# Altium PCB Lancelot.PcbDoc (part 1 of 14) (continued)
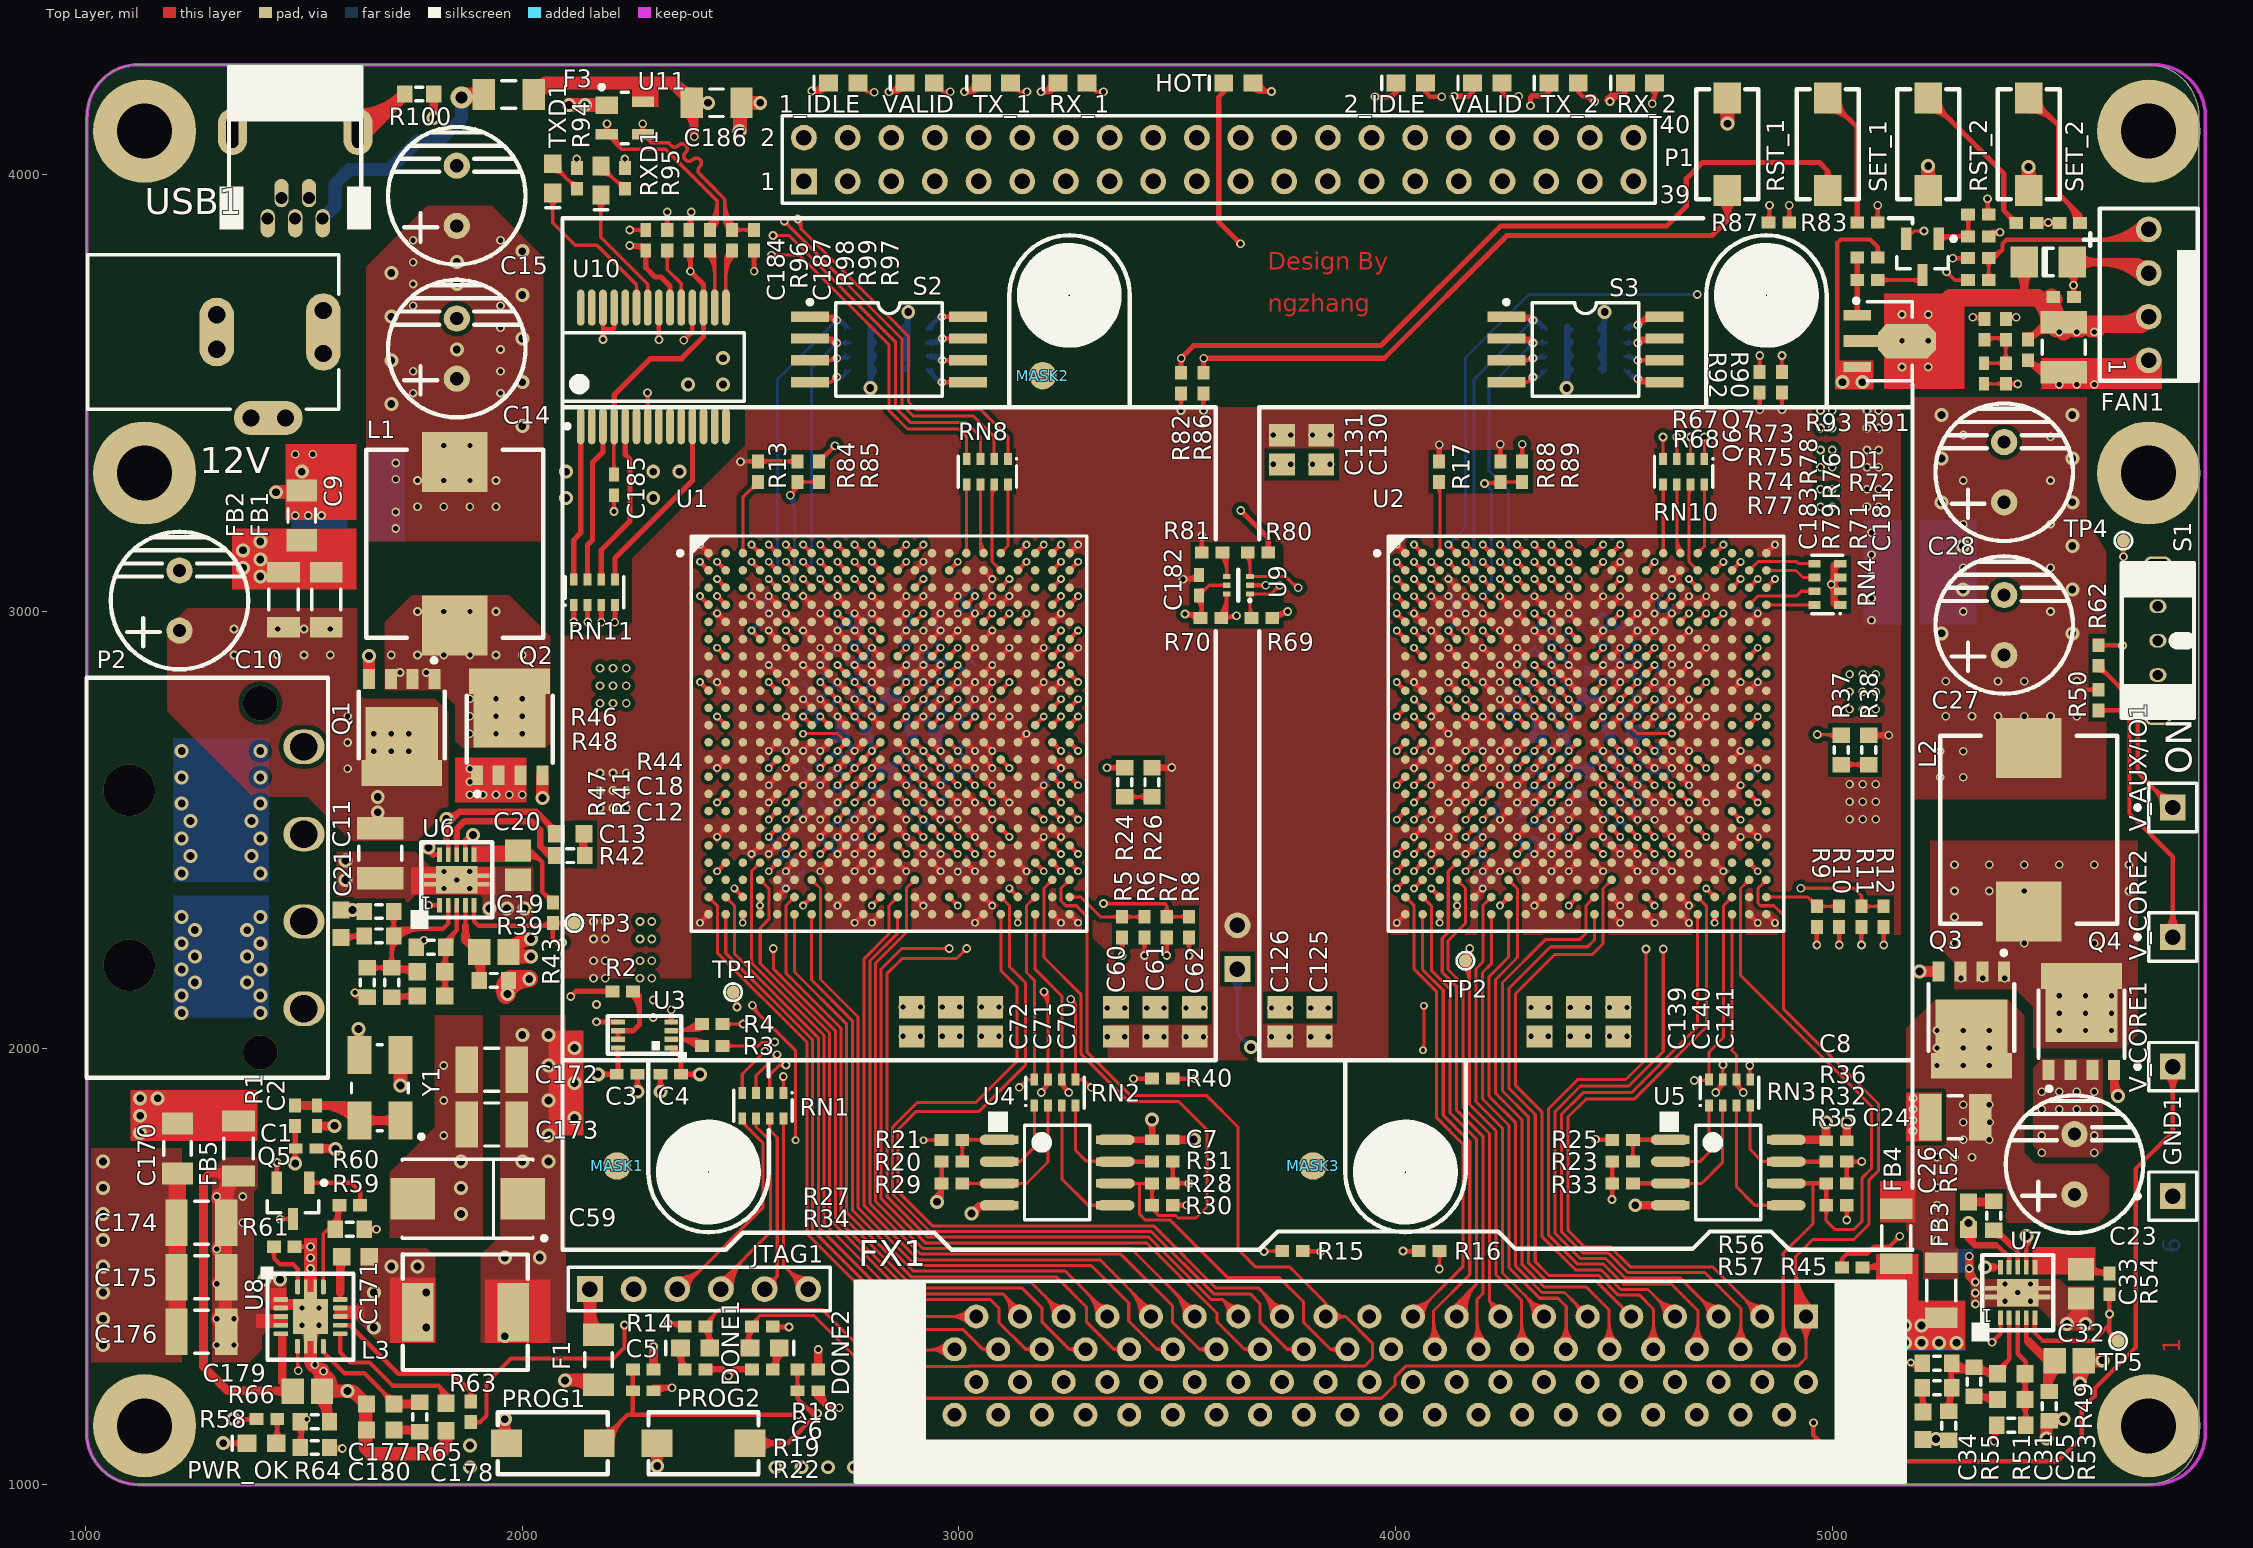
[diagram p0: Top Layer view]
## Components (designator, comment, footprint, x,y, rotation, side; value= is the part's Value field where it differs from the comment)
1_IDLE "YELLOW" CD1608-0603 2735,4210 r180 top (schematic designator FPGA1_IDLE)
2_IDLE "YELLOW" CD1608-0603 4035,4210 r180 top (schematic designator FPGA2_IDLE)
12V "PWR2.5" KLD-0202 1005,3640 r0 top
BATT1 "Header 2" HDR1X2 3638,2181 r90 bottom
C1 "0.47uF" CAPC1005N 1505,1770 r180 top
C2 "0.47uF" CAPC1005N 1530,1845 r90 top
C3 "0.47uF" CAPC1005N 2240,1940 r0 top
C4 "0.47uF" CAPC1005N 2340,1940 r0 top
C5 "0.47uF" CAPC1005N 2277,1215 r0 top
C6 "0.47uF" CAPC1005N 2654,1215 r0 top
C7 "0.47uF" CAPC1005N 3466,1790 r180 top
C8 "0.47uF" CAPC1005N 5010,1788 r180 top
C9 "10uF" CAPC3216N 1495,3220 r270 top
C10 "270uF/16V" CAP8X8 1215,3096 r180 top
C11 "22uF" CAPC3225N 1675,2446 r90 top
C12 "5600pF" CAPC1608N 1791,2119 r180 top
C13 "0.22uF" CAPC1608N 2110,2490.7 r0 top
C14 "820uF/2.5V" CAP8X8 1850,3673 r180 top
C15 "820uF/2.5V" CAP8X8 1850,4023 r180 top
C16 "47uF" CAPC3225N 1625,3300 r0 bottom
C17 "4.7uF" CAPC1608N 1620,3205 r0 bottom
C18 "1200pF" CAPC1608N 1791,2175 r180 top
C19 "4.7uF" CAPC2012N 1935,2220 r0 top
C20 "4.7uF" CAPC2012N 1990,2419 r90 top
C21 "3300pF" CAPC1608N 1585,2285 r90 top
C22 "10uF" CAPC3216N 5265,1440 r270 bottom
C23 "270uF/16V" CAP8X8 5555,1805 r180 top
C24 "22uF" CAPC3225N 5282,1842 r0 top
C25 "5600pF" CAPC1608N 5410,1195 r180 top
C26 "0.22uF" CAPC1608N 5312,1616 r90 top
C27 "820uF/2.5V" CAP8X8 5394,3040 r180 top
C28 "820uF/2.5V" CAP8X8 5394,3390 r180 top
C29 "47uF" CAPC3225N 5183.99,3110 r0 bottom
C30 "4.7uF" CAPC1608N 5183.99,3000 r0 bottom
C31 "1200pF" CAPC1608N 5410,1254 r180 top
C32 "4.7uF" CAPC2012N 5543,1284 r180 top
C33 "4.7uF" CAPC2012N 5570,1460 r270 top
C34 "3300pF" CAPC1608N 5208,1135 r270 top
C35 "0.47uF" BGA0402 3017,2720 r270 bottom
C36 "0.47uF" BGA0402 2663,2720 r90 bottom
C37 "0.47uF" BGA0402 2742,2956 r270 bottom
C38 "0.47uF" BGA0402 2781.25,2956 r270 bottom
C39 "0.47uF" BGA0402 3017,2878 r270 bottom
C40 "0.47uF" BGA0402 2899,2956 r270 bottom
C41 "0.47uF" BGA0402 3017,2798 r270 bottom
C42 "0.47uF" BGA0402 3017,2642 r90 bottom
C43 "0.47uF" BGA0402 2820,2484 r90 bottom
C44 "0.47uF" BGA0402 2584,2681 r270 bottom
C45 "0.47uF" BGA0402 2584,2484 r270 bottom
C46 "0.47uF" BGA0402 3214,2602 r270 bottom
C47 "0.47uF" BGA0402 2938,2484 r90 bottom
C48 "0.47uF" BGA0402 2741.5,2484 r90 bottom
C49 "0.47uF" BGA0402 2781,2484 r90 bottom
C50 "0.47uF" BGA0402 2899,2484 r90 bottom
C51 "0.47uF" BGA0402 3017,3035 r90 bottom
C52 "0.47uF" BGA0402 2859.75,2956 r270 bottom
C53 "0.47uF" BGA0402 2663,2798 r270 bottom
C54 "0.47uF" BGA0402 2663,2642 r90 bottom
C55 "0.47uF" BGA0402 2702,2484 r90 bottom
C56 "0.47uF" BGA0402 2623,2563 r90 bottom
C57 "0.47uF" BGA0402 2623,2405 r90 bottom
C58 "0.47uF" BGA0402 2820.5,2956 r270 bottom
C59 "330uF" D 1875,1655 r180 top
C60 "10uF" CAPC2012N 3360,2060 r90 top
C61 "10uF" CAPC2012N 3450,2060 r90 top
C62 "10uF" CAPC2012N 3540,2060 r90 top
C63 "0.47uF" BGA0402 3017,2444 r90 bottom
C64 "0.47uF" BGA0402 2545,2995 r270 bottom
C65 "0.47uF" BGA0402 2938,2956 r270 bottom
C66 "680uF" D 2208,2710 r270 bottom
C67 "22uF" CAPC3216N 2230,2090 r0 bottom
C68 "22uF" CAPC3216N 2230,2270 r0 bottom
C69 "22uF" CAPC3216N 2230,2180 r0 bottom
C70 "10uF" CAPC2012N 3072,2060 r90 top
C71 "10uF" CAPC2012N 2982,2060 r90 top
C72 "10uF" CAPC2012N 2892,2060 r90 top
C73 "0.47uF" BGA0402 2741.43,2798 r270 bottom
C74 "0.47uF" BGA0402 2780.86,2798 r270 bottom
C75 "0.47uF" BGA0402 2702,2642 r90 bottom
C76 "0.47uF" BGA0402 2899,2798 r270 bottom
C77 "0.47uF" BGA0402 2938.57,2798 r270 bottom
C78 "0.47uF" BGA0402 2978.14,2798 r270 bottom
C79 "0.47uF" BGA0402 2702,2798 r270 bottom
C80 "0.47uF" BGA0402 2978,2878 r270 bottom
C81 "0.47uF" BGA0402 2702,2878 r270 bottom
C82 "0.47uF" BGA0402 2742,2878 r270 bottom
C83 "0.47uF" BGA0402 2781,2878 r270 bottom
C84 "0.47uF" BGA0402 2938.5,2878 r270 bottom
C85 "0.47uF" BGA0402 2899,2878 r270 bottom
C86 "0.47uF" BGA0402 2899,2642 r90 bottom
C87 "0.47uF" BGA0402 2938.5,2642 r90 bottom
C88 "0.47uF" BGA0402 2899,2562 r90 bottom
C89 "0.47uF" BGA0402 2938.5,2562 r90 bottom
C90 "0.47uF" BGA0402 2978,2562 r90 bottom
C91 "0.47uF" BGA0402 2781,2642 r90 bottom
C92 "0.47uF" BGA0402 2741.5,2642 r90 bottom
C93 "0.47uF" BGA0402 2702,2562 r90 bottom
C94 "0.47uF" BGA0402 2741.5,2562 r90 bottom
C95 "0.47uF" BGA0402 2781,2562 r90 bottom
C96 "0.47uF" BGA0402 2978,2642 r90 bottom
C97 "4.7uF" CAPC1608N 2762,2720 r0 bottom
C98 "4.7uF" CAPC1608N 2840,2838 r90 bottom
C99 "4.7uF" CAPC1608N 2918,2720 r180 bottom
C100 "4.7uF" CAPC1608N 2840,2602 r270 bottom
C101 "0.47uF" BGA0402 4613,2878 r270 bottom
C102 "0.47uF" BGA0402 4259,2798 r270 bottom
C103 "0.47uF" BGA0402 4416.2,2956 r270 bottom
C104 "0.47uF" BGA0402 4810,2602 r270 bottom
C105 "0.47uF" BGA0402 4613,3035 r90 bottom
C106 "0.47uF" BGA0402 4613,2444 r90 bottom
C107 "0.47uF" BGA0402 4219,2405 r90 bottom
C108 "0.47uF" BGA0402 4141,2995 r270 bottom
C109 "0.47uF" BGA0402 4455.8,2956 r270 bottom
C110 "0.47uF" BGA0402 4535,2956 r270 bottom
C111 "0.47uF" BGA0402 4337,2956 r270 bottom
C112 "0.47uF" BGA0402 4377.33,2484 r90 bottom
C113 "0.47uF" BGA0402 4614,2720 r270 bottom
C114 "0.47uF" BGA0402 4337.67,2484 r90 bottom
C115 "0.47uF" BGA0402 4534,2484 r90 bottom
C116 "0.47uF" BGA0402 4259,2642 r90 bottom
C117 "0.47uF" BGA0402 4180,2681 r270 bottom
C118 "0.47uF" BGA0402 4810,3035 r90 bottom
C119 "0.47uF" BGA0402 4614,2642 r90 bottom
C120 "0.47uF" BGA0402 4495.4,2956 r270 bottom
C121 "0.47uF" BGA0402 4376.6,2956 r270 bottom
C122 "0.47uF" BGA0402 4259,2720 r90 bottom
C123 "0.47uF" BGA0402 4613,2799 r270 bottom
C124 "0.47uF" BGA0402 4180,2405 r90 bottom
C125 "10uF" CAPC2012N 3826,2060 r90 top
C126 "10uF" CAPC2012N 3736,2060 r90 top
C127 "0.47uF" BGA0402 4298,2484 r90 bottom
C128 "0.47uF" BGA0402 4495,2484 r90 bottom
C129 "0.47uF" BGA0402 4180,2483 r270 bottom
C130 "10uF" CAPC2012N 3830,3370 r270 top
C131 "10uF" CAPC2012N 3740,3370 r270 top
C132 "0.47uF" BGA0402 4417,2484 r90 bottom
C133 "0.47uF" BGA0402 4220,2563 r90 bottom
C134 "0.47uF" BGA0402 2584,2405 r90 bottom
C135 "680uF" D 5070,2690 r270 bottom
C136 "22uF" CAPC3216N 5040,3260 r180 bottom
C137 "22uF" CAPC3216N 5040,3440 r180 bottom
C138 "22uF" CAPC3216N 5040,3350 r180 bottom
C139 "10uF" CAPC2012N 4330,2060 r90 top
C140 "10uF" CAPC2012N 4420,2060 r90 top
C141 "10uF" CAPC2012N 4510,2060 r90 top
C142 "0.47uF" BGA0402 4495,2798 r270 bottom
C143 "0.47uF" BGA0402 4495,2878 r270 bottom
C144 "0.47uF" BGA0402 4534.5,2878 r270 bottom
C145 "0.47uF" BGA0402 4574,2878 r270 bottom
C146 "0.47uF" BGA0402 4534.5,2642 r90 bottom
C147 "0.47uF" BGA0402 4574,2642 r90 bottom
C148 "0.47uF" BGA0402 4298,2562 r90 bottom
C149 "0.47uF" BGA0402 4337.5,2562 r90 bottom
C150 "0.47uF" BGA0402 4377,2562 r90 bottom
C151 "0.47uF" BGA0402 4495,2562 r90 bottom
C152 "0.47uF" BGA0402 4534.5,2562 r270 bottom
C153 "0.47uF" BGA0402 4574,2562 r90 bottom
C154 "0.47uF" BGA0402 4298,2642 r90 bottom
C155 "0.47uF" BGA0402 4534.5,2798 r270 bottom
C156 "0.47uF" BGA0402 4574,2798 r270 bottom
C157 "0.47uF" BGA0402 4337.5,2642 r90 bottom
C158 "0.47uF" BGA0402 4377,2642 r90 bottom
C159 "0.47uF" BGA0402 4495,2642 r90 bottom
C160 "0.47uF" BGA0402 4298,2878 r270 bottom
C161 "0.47uF" BGA0402 4298,2798 r270 bottom
C162 "0.47uF" BGA0402 4337.5,2878 r270 bottom
C163 "0.47uF" BGA0402 4377,2878 r270 bottom
C164 "0.47uF" BGA0402 4337.5,2798 r270 bottom
C165 "0.47uF" BGA0402 4377,2798 r270 bottom
C166 "4.7uF" CAPC1608N 4436,2602 r270 bottom
C167 "4.7uF" CAPC1608N 4515,2720 r180 bottom
C168 "4.7uF" CAPC1608N 4357,2720 r0 bottom
C169 "4.7uF" CAPC1608N 4436,2838 r90 bottom
C170 "10uF" CAPC3216N 1210,1770 r90 top
C171 "0.22uF" CAPC1608N 1618,1522 r0 top
C172 "47uF" CAPC3225N 1930,1950 r0 top
C173 "47uF" CAPC3225N 1930,1825 r0 top
C174 "22uF" CAPC3225N 1265,1600 r0 top
C175 "22uF" CAPC3225N 1265,1475 r0 top
C176 "22uF" CAPC3225N 1265,1350 r0 top
C177 "27pF" CAPC1608N 1675,1185 r0 top
C178 "0.018uF" CAPC1608N 1825,1155 r90 top
C179 "4.7uF" CAPC2012N 1508,1214 r180 top
C180 "0.012uF" CAPC1608N 1675,1125 r0 top
C181 "22uF" CAPC3225N 5530,3605 r90 top
C182 "0.47uF" CAPC1005N 3550,3060 r90 top
C183 "27pF" CAPC1005N 5347.81,3545 r270 top
C184 "0.47uF" CAPC1005N 2283,3850 r90 top
C185 "0.47uF" CAPC1005N 2210,3290 r90 top
C186 "22uF" CAPC3216N 2445,4165 r180 top
C187 "0.47uF" CAPC1005N 2381,3850 r90 top
D1 "Diode 1N4148" CD3216-1206 5495,3800 r180 top
DONE1 "WHITE" CD1608-0603 2396,1313 r180 top
DONE2 "WHITE" CD1608-0603 2555,1313 r0 top
F1 "Fuse 2" RESC3216N 2175,1286 r270 top
F2 "Fuse" RESC5025N 1300,2385 r270 bottom
F3 "Fuse 2" RESC3216N 1969,4184 r180 top
FAN1 "Header 4" 4PINFAN 5725,3725 r270 top
FB1 "MB" INDC3216N 1551,3027 r90 top
FB2 "MB" INDC3216N 1453,3027 r90 top
FB3 "MB" INDC3216N 5250,1445 r270 top
FB4 "MB" INDC3216N 5147,1569 r270 top
FB5 "MB" INDC3216N 1350,1770 r90 top
FX1 "1734099" 1734099 3945,1005 r0 top locked
GND1 "TP" PIN1 5780,1661 r90 top
HOT "RED" CD1608-0603 3640,4210 r180 top
JTAG1 "Header 6" HDR1X6 2155,1448 r0 top
L1 "IHLP4040DZ11" IHLP4040 1845,3155 r90 top
L2 "IHLP4040DZ11" IHLP4040 5450,2500 r90 top
L3 "IHLP2525CZ01" IHLP2525 1870,1395 r0 top
MASK1 "Socket" MASK 2217,1730 r90 top
MASK2 "Socket" MASK 3192,3540 r90 top
MASK3 "Socket" MASK 3811,1730 r90 top
P1 "Header 20X2" HDR2X20 2645,3985 r0 top
P2 "Header 4" 015244441 1100,2390 r90 top locked
PROG1 "SW-PB" SKQMA 2070,1095 r0 top
PROG2 "SW-PB" SKQMA 2415,1095 r0 top
PWR_OK "GREEN" CD1608-0603 1403,1095 r180 top
Q1 "PSMN2R2-25YLC" LFPAK 1725,2735 r270 top
Q2 "PSMN2R2-25YLC" LFPAK 1970,2735 r90 top locked
Q3 "PSMN2R2-25YLC" LFPAK 5320,2065 r270 top
Q4 "PSMN2R2-25YLC" LFPAK 5570,2060 r90 top
Q5 "2N7002K" SOT23_N 1475,1650 r270 top
Q6 "2SB1188" SOT89M 5132,3619 r0 top
Q7 "2N7002K" SOT23_N 5207,3812 r270 top
R1 "0R" RESC1005N 1480,1845 r270 top
R2 "0R" RESC1005N 2230,2130 r180 top
R3 "0R" RESC1005N 2435,2005 r180 top
R4 "0R" RESC1005N 2435,2055 r180 top
R5 "4.7K" RESC1005N 3374,2277 r90 top
R6 "NC" RESC1005N 3425,2277 r90 top
R7 "4.7K" RESC1005N 3476,2277 r90 top
R8 "100R" RESC1005N 3527,2277 r90 top
R9 "4.7K" RESC1005N 4965,2301 r90 top
R10 "NC" RESC1005N 5016,2301 r90 top
R11 "4.7K" RESC1005N 5067,2301 r90 top
R12 "100R" RESC1005N 5118,2301 r90 top
R13 "4.7K" RESC1005N 2540,3320 r270 top
R14 "4.7K" RESC1005N 2277,1264 r180 top
R15 "4.7K" RESC1005N 3764,1535 r180 top
R16 "4.7K" RESC1005N 4077,1535 r0 top
R17 "4.7K" RESC1005N 4100,3320 r270 top
R18 "4.7K" RESC1005N 2654,1264 r180 top
R19 "510R" RESC1005N 2396,1362 r0 top
R20 "4.7K" RESC1005N 2984,1740 r0 top
R21 "0R" RESC1005N 2984,1790 r180 top
R22 "27R" RESC1005N 2396,1264 r0 top
R23 "4.7K" RESC1005N 4520,1740 r0 top
R24 "1.13K" RESC1608N 3379.91,2608.89 r90 top
R25 "0R" RESC1005N 4520,1790 r180 top
R26 "10R" RESC1608N 3442,2609 r90 top
R27 "510R" RESC1005N 2550,1362 r180 top
R28 "100R" RESC1005N 3466,1690 r180 top
R29 "1.8K" RESC1005N 2984,1690 r0 top
R30 "100R" RESC1005N 3466,1640 r0 top
R31 "1.8K" RESC1005N 3466,1740 r180 top
R32 "100R" RESC1005N 5010,1690 r180 top
R33 "1.8K" RESC1005N 4520,1690 r0 top
R34 "27R" RESC1005N 2550,1264 r180 top
R35 "100R" RESC1005N 5010,1640 r0 top
R36 "1.8K" RESC1005N 5010,1740 r180 top
R37 "1.13K" RESC1608N 5020.75,2682.87 r90 top
R38 "10R" RESC1608N 5083.75,2682.87 r90 top
R39 "0R" RESC1608N 1935,2155 r0 top
R40 "100R" RESC1005N 3466,1930 r180 top
R41 "6.19K" RESC1608N 1701,2150 r270 top
R42 "0R" RESC1608N 2110,2440.7 r180 top
R43 "100K" RESC1005N 2070,2310 r90 top
R44 "3.9K" RESC1608N 1791,2231 r0 top
R45 "100K" RESC1005N 5046,1497 r0 top
R46 "10K" RESC1608N 1672,2313 r0 top
R47 "10K" RESC1608N 1645,2150 r270 top
R48 "1.82K" RESC1608N 1672,2257 r0 top
R49 "0R" RESC1608N 5497,1180 r270 top
R50 "100R" RESC1005N 5610,2797 r90 top
R51 "6.19K" RESC1608N 5325,1236 r270 top
R52 "0R" RESC1608N 5370,1616 r270 top
R53 "3.9K" RESC1608N 5410,1136 r0 top
R54 "100K" RESC1005N 5635,1460 r90 top
R55 "10K" RESC1608N 5267,1135 r90 top
R56 "10K" RESC1608N 5240,1278 r0 top
R57 "1.82K" RESC1608N 5240,1222 r0 top
R58 "510R" RESC1005N 1415,1150 r180 top
R59 "10K" RESC1608N 1605,1585 r0 top
R60 "0R" RESC1005N 1605,1640 r180 top
R61 "100K" RESC1005N 1455,1545 r0 top
R62 "100R" RESC1005N 5610,2899 r90 top
R63 "0R" RESC1005N 1882,1167 r90 top
R64 "31.6K" RESC1608N 1525,1085 r0 top
R65 "13.3K" RESC1608N 1765,1155 r90 top
R66 "10K" RESC1608N 1525,1144 r180 top
R67 "4.7K" RESC1005N 5081,3811 r180 top
R68 "1K" RESC1005N 5081,3759 r180 top
R69 "10K" RESC1005N 3694,2985 r0 top
R70 "10K" RESC1005N 3577,2985 r180 top
R71 "1K" RESC1005N 5448,3599 r90 top
R72 "4.7K" RESC1005N 5530,3720 r0 top
R73 "100R" RESC1005N 5335,3909 r180 top
R74 "4.7K" RESC1005N 5335,3809 r180 top
R75 "4.7K" RESC1005N 5335,3859 r180 top
R76 "10K" RESC1005N 5398,3646 r270 top
R77 "100R" RESC1005N 5335,3759 r180 top
R78 "100R" RESC1005N 5349,3646 r270 top
R79 "4.7K" RESC1005N 5397.81,3545 r270 top
R80 "510R" RESC1005N 3685,3135 r0 top
R81 "0R" RESC1005N 3580,3135 r180 top
R82 "4.7K" RESC1005N 3508.81,3523 r270 top
R83 "270R" RESC1005N 5081,3891 r180 top
R84 "4.7K" RESC1005N 2630,3320 r90 top
R85 "NC" RESC1005N 2680,3320 r270 top
R86 "4.7K" RESC1005N 3560,3523 r270 top
R87 "270R" RESC1005N 4878,3891 r180 top
R88 "NC" RESC1005N 4240,3320 r90 top
R89 "270R" RESC1005N 4290,3320 r270 top
R90 "4.7K" RESC1005N 4885,3525 r270 top
R91 "270R" RESC1005N 5544,3890 r0 top
R92 "4.7K" RESC1005N 4834,3525 r270 top
R93 "270R" RESC1005N 5445,3890 r180 top
R94 "510R" RESC1005N 2125,3991.81 r90 top
R95 "510R" RESC1005N 2235,3991.81 r90 top
R96 "10K" RESC1005N 2332,3850 r90 top
R97 "NC" RESC1005N 2531,3850 r270 top
R98 "0R" RESC1005N 2430,3850 r90 top
R99 "0R" RESC1005N 2480,3850 r90 top
R100 "0R" RESC1608N 1764,4185 r180 top
RN1 "100R" EXBV8V 2551,1868 r180 top
RN2 "100R" EXBV8V 3220,1898 r0 top
RN3 "100R" EXBV8V 4765,1898 r0 top
RN4 "4.7K" EXBV8V 4989,3062 r90 top
RN5 "100R" EXBV8V 2899,3600 r90 bottom
RN6 "4.7K" EXBV8V 2780,3600 r270 bottom
RN7 "100R" EXBV8V 4495,3600 r90 bottom
RN8 "330R" EXBV8V 3065,3320 r180 top
RN9 "4.7K" EXBV8V 4375,3600 r270 bottom
RN10 "330R" EXBV8V 4660,3320 r180 top
RN11 "100R" EXBV8V 2165,3044 r0 top
RST_1 "SW-PB" SKQMA 4760,4070 r90 top
RST_2 "SW-PB" SKQMA 5220,4070 r90 top locked
RX_1 "GREEN" CD1608-0603 3260,4210 r180 top (schematic designator FPGA1_RX)
RX_2 "GREEN" CD1608-0603 4560,4210 r180 top (schematic designator FPGA2_RX)
RXD1 "GREEN" CD1608-0603 2180,3986.81 r270 top
S1 "SW-SPDT" SW3_S 5746,2933 r270 top
S2 "SW-DIP4" SO8W 2840,3600 r270 top locked
S3 "SW-DIP4" SO8W 4435,3600 r270 top locked
SET_1 "SW-PB" SKQMA 4990,4070 r90 top
SET_2 "SW-PB" SKQMA 5450,4070 r90 top
TP1 "TP" TP 2483,2128 r90 top
TP2 "TP" TP 4160,2200 r90 top
TP3 "TP" TP 2119,2286 r90 top
TP4 "TP" TP 5667,3162 r90 top
TP5 "TP" TP 5655,1329 r90 top
TX_1 "GREEN" CD1608-0603 3085,4210 r180 top (schematic designator FPGA1_TX)
TX_2 "GREEN" CD1608-0603 4385,4210 r180 top (schematic designator FPGA2_TX)
TXD1 "GREEN" CD1608-0603 2070,3991.81 r270 top
U1 "XC6SLX150-N3FG484C" FG484 2840,2720 r0 top locked
U2 "XC6SLX150-N3FG484C" FG484 4435.99,2719.93 r0 top locked
U3 "74AVCH2T45" SOT765-1 2280,2030 r90 top
U4 "W25Q64CV" WSOP8 3225,1715 r270 top
U5 "W25Q64CV" WSOP8 4762,1715 r270 top
U6 "TPS40193" SON10 1850,2385 r90 top
U7 "TPS40193" SON10 5425,1440 r90 top
U8 "TPS54620" VQFN-14 1515,1385 r270 top
U9 "TMP102" SOT563 3640,3060 r180 top
U10 "FT232RL" SSOP28_N 2300,3560 r90 top
U11 "SR05.TC" SOT-143_N 2235,4130 r0 top
USB1 "5000750517" 548190519 1480,3900 r270 top locked
V_AUX/IO1 "TP" PIN1 5780,2551 r90 top
V_CORE1 "TP" PIN1 5780,1957.67 r90 top
V_CORE2 "TP" PIN1 5780,2254.33 r90 top
VALID "BLUE" CD1608-0603 2910,4210 r180 top (schematic designator FPGA1_VALID)
VALID "BLUE" CD1608-0603 4210,4210 r180 top (schematic designator FPGA2_VALID)
Y1 "2SMX" SMX2 1675,1910 r90 top

## Footprints (in the part's own frame and the unit in brackets; to place one, negate y for a bottom-side part, rotate by r counter-clockwise, add the part's x,y. Pads: shape width x height; smd on the part's side, far side on the other; paste and mask are expansions set on the pad)
4PINFAN [mm]
  round 1.5 hole 0.9 paste+0.05 mask+0.05: 1(3.81,0) 2(1.27,0) 3(-1.27,0) 4(-3.81,0)
  silkscreen extent -5.03,-2.85 5,2.85
1734099 [mm]
  rect 1.4x1.4 hole 0.8: 1(25.273,9.655)
  round 1.4 hole 0.8: 2(24.003,7.75) 3(22.733,9.655) 4(21.463,7.75) 5(20.193,9.655) 6(18.923,7.75) 7(17.653,9.655) 8(16.383,7.75) 9(15.113,9.655) 10(13.843,7.75) 11(12.573,9.655) 12(11.303,7.75) 13(10.033,9.655) 14(8.763,7.75) 15(7.493,9.655) 16(6.223,7.75) 17(4.953,9.655) 18(3.683,7.75) 19(2.413,9.655) 20(1.143,7.75) 21(-0.127,9.655) 22(-1.397,7.75) 23(-2.667,9.655) 24(-3.937,7.75) 25(-5.207,9.655) 26(-6.477,7.75) 27(-7.747,9.655) 28(-9.017,7.75) 29(-10.287,9.655) 30(-11.557,7.75) 31(-12.827,9.655) 32(-14.097,7.75) 33(-15.367,9.655) 34(-16.637,7.75) 35(-17.907,9.655) 36(-19.177,7.75) 37(-20.447,9.655) 38(-21.717,7.75) 39(-22.987,9.655) 40(-24.257,7.75) 41(25.273,5.845) 42(24.003,3.94) 43(22.733,5.845) 44(21.463,3.94) 45(20.193,5.845) 46(18.923,3.94) 47(17.653,5.845) 48(16.383,3.94) 49(15.113,5.845) 50(13.843,3.94) 51(12.573,5.845) 52(11.303,3.94) 53(10.033,5.845) 54(8.763,3.94) 55(7.493,5.845) 56(6.223,3.94) 57(4.953,5.845) 58(3.683,3.94) 59(2.413,5.845) 60(1.143,3.94) 61(-0.127,5.845) 62(-1.397,3.94) 63(-2.667,5.845) 64(-3.937,3.94) 65(-5.207,5.845) 66(-6.477,3.94) 67(-7.747,5.845) 68(-9.017,3.94) 69(-10.287,5.845) 70(-11.557,3.94) 71(-12.827,5.845) 72(-14.097,3.94) 73(-15.367,5.845) 74(-16.637,3.94) 75(-17.907,5.845) 76(-19.177,3.94) 77(-20.447,5.845) 78(-21.717,3.94) 79(-22.987,5.845) 80(-24.257,3.94)
  round 3.6 hole 2.6: 81(28.981,3.94) 82(-27.965,3.94)
  silkscreen extent -30.02,0 31.04,11.7
015244441 [mm]
  oval 2x2.4 hole 1.6 paste+0.05 mask+0.05: 1(7.62,-10.16) 2(2.54,-10.16) 3(-2.54,-10.16) 4(-7.62,-10.16)
  silkscreen extent -11.63,-11.56 11.63,2.49
548190519 [mm]
  oval 1.65x0.838 / inner oval 1.65x1.1 / far side oval 1.65x1.1 hole 0.7 copper offset 0.275,0 paste+0.05 mask+0.05: 1(0,1.6) 3(0,0) 5(0,-1.6)
  oval 1.65x0.838 / inner oval 1.65x1.1 / far side oval 1.65x1.1 hole 0.7 copper offset -0.275,0 paste+0.05 mask+0.05: 2(-1.2,0.8) 4(-1.2,-0.8)
  oval 2.7x1.7 hole 0.7 slot 1.9 at 0 deg paste+0.05 mask+0.05: 6(-5.05,-3.65) 7(-5.05,3.65)
  oval 2x1 hole 0.5 slot 1.5 at 0 deg paste+0.05 mask+0.05: 6(-0.69,3.65) 6(-0.69,-3.65)
  silkscreen extent -8.81,-4.4 0.65,4.4
BGA0402 [mil]
  rrect100% 20x25 smd: 1(-20,0) 2(20,0)
  silkscreen extent -40,-17 40,17
CAP8X8 [mil]
  round 60 hole 30: 1(0,140) 2(0,2.2)
  silkscreen extent -157,-86 157,229
CAPC1005N [mm] "Chip Capacitor, Body 1.0x0.5mm, IPC Medium Density"
  rect 0.8x0.6 smd: 1(-0.6,0) 2(0.6,0)
  body extent -0.55,-0.3 0.55,0.3, height 0.6
CAPC1608N [mm] "Chip Capacitor, Body 1.6x0.8mm, IPC Medium Density"
  rect 1x1 smd: 1(-0.8,0) 2(0.8,0)
  body extent -0.87,-0.48 0.87,0.48, height 0.85
CAPC2012N [mm] "Chip Capacitor, Body 2.0x1.3mm, IPC Medium Density"
  rect 1.3x1.5 smd: 1(-0.85,0) 2(0.85,0)
  body extent -1.1,-0.72 1.1,0.72, height 1.1
CAPC3216N [mm] "Chip Capacitor, Body 3.2x1.6mm, IPC Medium Density"
  rect 1.3x1.8 smd: 1(-1.45,0) 2(1.45,0)
  silkscreen extent -0.4,-0.8 0.4,0.8, body extent -1.7,-0.9 1.7,0.9, height 1.35
CAPC3225N [mm] "Chip Capacitor, Body 3.2x2.5mm, IPC Medium Density"
  rect 1.3x2.7 smd: 1(-1.45,0) 2(1.45,0)
  silkscreen extent -0.4,-1.25 0.4,1.25, body extent -1.7,-1.35 1.7,1.35, height 1.35
CD1608-0603 [mm] "Chip Diode; Body 1.6 x 0.8 mm (LxW typ)"
  rect 1.1x1 smd: 1(-0.85,0) 2(0.85,0)
  silkscreen extent 1.7,-0.4 1.7,0.4
CD3216-1206 [mm] "Chip Diode; Body 3.2 x 1.6 mm (LxW typ)"
  rect 1.6x1.8 smd: 1(-1.4,0) 2(1.4,0)
  silkscreen extent -0.3,-0.8 0.3,0.8
D [mm] "Capacitor, SM Tantalum; Body 7.3 x 4.3 mm (LxW typ)"
  rect 2.6x2.4 smd: 1(-3.2,0) 2(3.2,0)
  silkscreen extent -4.58,-2.3 3.8,2.42, body extent -4.7,-2.4 3.9,2.55, height 6
EXBV8V [mm] "Chip Resistor Array, (0603x4); SM; 8 Leads; Body 3.40 x 1.80 mm (LxW max)"
  rect 0.45x0.7 smd: 1(-1.2,-0.75) 2(-0.4,-0.75) 3(0.4,-0.75) 4(1.2,-0.75) 5(1.2,0.75) 6(0.4,0.75) 7(-0.4,0.75) 8(-1.2,0.75)
  silkscreen extent -1.75,-0.9 1.7,0.9
FG484 [mm] "BGA, 484-Leads, Body 23x23mm, Pitch 1mm"
  round 0.5 smd: A1(-10.5,10.5) A2(-9.5,10.5) A3(-8.5,10.5) A4(-7.5,10.5) A5(-6.5,10.5) A6(-5.5,10.5) A7(-4.5,10.5) A8(-3.5,10.5) A9(-2.5,10.5) A10(-1.5,10.5) A11(-0.5,10.5) A12(0.5,10.5) A13(1.5,10.5) A14(2.5,10.5) A15(3.5,10.5) A16(4.5,10.5) A17(5.5,10.5) A18(6.5,10.5) A19(7.5,10.5) A20(8.5,10.5) A21(9.5,10.5) A22(10.5,10.5) AA1(-10.5,-9.5) AA2(-9.5,-9.5) AA3(-8.5,-9.5) AA4(-7.5,-9.5) AA5(-6.5,-9.5) AA6(-5.5,-9.5) AA7(-4.5,-9.5) AA8(-3.5,-9.5) AA9(-2.5,-9.5) AA10(-1.5,-9.5) AA11(-0.5,-9.5) AA12(0.5,-9.5) AA13(1.5,-9.5) AA14(2.5,-9.5) AA15(3.5,-9.5) AA16(4.5,-9.5) AA17(5.5,-9.5) AA18(6.5,-9.5) AA19(7.5,-9.5) AA20(8.5,-9.5) AA21(9.5,-9.5) AA22(10.5,-9.5) AB1(-10.5,-10.5) AB2(-9.5,-10.5) AB3(-8.5,-10.5) AB4(-7.5,-10.5) AB5(-6.5,-10.5) AB6(-5.5,-10.5) AB7(-4.5,-10.5) AB8(-3.5,-10.5) AB9(-2.5,-10.5) AB10(-1.5,-10.5) AB11(-0.5,-10.5) AB12(0.5,-10.5) AB13(1.5,-10.5) AB14(2.5,-10.5) AB15(3.5,-10.5) AB16(4.5,-10.5) AB17(5.5,-10.5) AB18(6.5,-10.5) AB19(7.5,-10.5) AB20(8.5,-10.5) AB21(9.5,-10.5) AB22(10.5,-10.5) B1(-10.5,9.5) B2(-9.5,9.5) B3(-8.5,9.5) B4(-7.5,9.5) B5(-6.5,9.5) B6(-5.5,9.5) B7(-4.5,9.5) B8(-3.5,9.5) B9(-2.5,9.5) B10(-1.5,9.5) B11(-0.5,9.5) B12(0.5,9.5) B13(1.5,9.5) B14(2.5,9.5) B15(3.5,9.5) B16(4.5,9.5) B17(5.5,9.5) B18(6.5,9.5) B19(7.5,9.5) B20(8.5,9.5) B21(9.5,9.5) B22(10.5,9.5) C1(-10.5,8.5) C2(-9.5,8.5) C3(-8.5,8.5) C4(-7.5,8.5) C5(-6.5,8.5) C6(-5.5,8.5) C7(-4.5,8.5) C8(-3.5,8.5) C9(-2.5,8.5) C10(-1.5,8.5) C11(-0.5,8.5) C12(0.5,8.5) C13(1.5,8.5) C14(2.5,8.5) C15(3.5,8.5) C16(4.5,8.5) C17(5.5,8.5) C18(6.5,8.5) C19(7.5,8.5) C20(8.5,8.5) C21(9.5,8.5) C22(10.5,8.5) D1(-10.5,7.5) D2(-9.5,7.5) D3(-8.5,7.5) D4(-7.5,7.5) D5(-6.5,7.5) D6(-5.5,7.5) D7(-4.5,7.5) D8(-3.5,7.5) D9(-2.5,7.5) D10(-1.5,7.5) D11(-0.5,7.5) D12(0.5,7.5) D13(1.5,7.5) D14(2.5,7.5) D15(3.5,7.5) D16(4.5,7.5) D17(5.5,7.5) D18(6.5,7.5) D19(7.5,7.5) D20(8.5,7.5) D21(9.5,7.5) D22(10.5,7.5) E1(-10.5,6.5) E2(-9.5,6.5) E3(-8.5,6.5) E4(-7.5,6.5) E5(-6.5,6.5) E6(-5.5,6.5) E7(-4.5,6.5) E8(-3.5,6.5) E9(-2.5,6.5) E10(-1.5,6.5) E11(-0.5,6.5) E12(0.5,6.5) E13(1.5,6.5) E14(2.5,6.5) E15(3.5,6.5) E16(4.5,6.5) E17(5.5,6.5) E18(6.5,6.5) E19(7.5,6.5) E20(8.5,6.5) E21(9.5,6.5) E22(10.5,6.5) F1(-10.5,5.5) F2(-9.5,5.5) F3(-8.5,5.5) F4(-7.5,5.5) F5(-6.5,5.5) F6(-5.5,5.5) F7(-4.5,5.5) F8(-3.5,5.5) F9(-2.5,5.5) F10(-1.5,5.5) F11(-0.5,5.5) F12(0.5,5.5) F13(1.5,5.5) F14(2.5,5.5) F15(3.5,5.5) F16(4.5,5.5) F17(5.5,5.5) F18(6.5,5.5) F19(7.5,5.5) F20(8.5,5.5) F21(9.5,5.5) F22(10.5,5.5) G1(-10.5,4.5) G2(-9.5,4.5) G3(-8.5,4.5) G4(-7.5,4.5) G5(-6.5,4.5) G6(-5.5,4.5) G7(-4.5,4.5) G8(-3.5,4.5) G9(-2.5,4.5) G10(-1.5,4.5) G11(-0.5,4.5) G12(0.5,4.5) G13(1.5,4.5) G14(2.5,4.5) G15(3.5,4.5) G16(4.5,4.5) G17(5.5,4.5) G18(6.5,4.5) G19(7.5,4.5) G20(8.5,4.5) G21(9.5,4.5) G22(10.5,4.5) H1(-10.5,3.5) H2(-9.5,3.5) H3(-8.5,3.5) H4(-7.5,3.5) H5(-6.5,3.5) H6(-5.5,3.5) H7(-4.5,3.5) H8(-3.5,3.5) H9(-2.5,3.5) H10(-1.5,3.5) H11(-0.5,3.5) H12(0.5,3.5) H13(1.5,3.5) H14(2.5,3.5) H15(3.5,3.5) H16(4.5,3.5) H17(5.5,3.5) H18(6.5,3.5) H19(7.5,3.5) H20(8.5,3.5) H21(9.5,3.5) H22(10.5,3.5) J1(-10.5,2.5) J2(-9.5,2.5) J3(-8.5,2.5) J4(-7.5,2.5) J5(-6.5,2.5) J6(-5.5,2.5) J7(-4.5,2.5) J8(-3.5,2.5) J9(-2.5,2.5) J10(-1.5,2.5) J11(-0.5,2.5) J12(0.5,2.5) J13(1.5,2.5) J14(2.5,2.5) J15(3.5,2.5) J16(4.5,2.5) J17(5.5,2.5) J18(6.5,2.5) J19(7.5,2.5) J20(8.5,2.5) J21(9.5,2.5) J22(10.5,2.5) K1(-10.5,1.5) K2(-9.5,1.5) K3(-8.5,1.5) K4(-7.5,1.5) K5(-6.5,1.5) K6(-5.5,1.5) K7(-4.5,1.5) K8(-3.5,1.5) K9(-2.5,1.5) K10(-1.5,1.5) K11(-0.5,1.5) K12(0.5,1.5) K13(1.5,1.5) K14(2.5,1.5) K15(3.5,1.5) K16(4.5,1.5) K17(5.5,1.5) K18(6.5,1.5) K19(7.5,1.5) K20(8.5,1.5) K21(9.5,1.5) K22(10.5,1.5) L1(-10.5,0.5) L2(-9.5,0.5) L3(-8.5,0.5) L4(-7.5,0.5) L5(-6.5,0.5) L6(-5.5,0.5) L7(-4.5,0.5) L8(-3.5,0.5) L9(-2.5,0.5) L10(-1.5,0.5) L11(-0.5,0.5) L12(0.5,0.5) L13(1.5,0.5) L14(2.5,0.5) L15(3.5,0.5) L16(4.5,0.5) L17(5.5,0.5) L18(6.5,0.5) L19(7.5,0.5) L20(8.5,0.5) L21(9.5,0.5) L22(10.5,0.5) M1(-10.5,-0.5) M2(-9.5,-0.5) M3(-8.5,-0.5) M4(-7.5,-0.5) M5(-6.5,-0.5) M6(-5.5,-0.5) M7(-4.5,-0.5) M8(-3.5,-0.5) M9(-2.5,-0.5) M10(-1.5,-0.5) M11(-0.5,-0.5) M12(0.5,-0.5) M13(1.5,-0.5) M14(2.5,-0.5) M15(3.5,-0.5) M16(4.5,-0.5) M17(5.5,-0.5) M18(6.5,-0.5) M19(7.5,-0.5) M20(8.5,-0.5) M21(9.5,-0.5) M22(10.5,-0.5) N1(-10.5,-1.5) N2(-9.5,-1.5) N3(-8.5,-1.5) N4(-7.5,-1.5) N5(-6.5,-1.5) N6(-5.5,-1.5) N7(-4.5,-1.5) N8(-3.5,-1.5) N9(-2.5,-1.5) N10(-1.5,-1.5) N11(-0.5,-1.5) N12(0.5,-1.5) N13(1.5,-1.5) N14(2.5,-1.5) N15(3.5,-1.5) N16(4.5,-1.5) N17(5.5,-1.5) N18(6.5,-1.5) N19(7.5,-1.5) N20(8.5,-1.5) N21(9.5,-1.5) N22(10.5,-1.5) P1(-10.5,-2.5) P2(-9.5,-2.5) P3(-8.5,-2.5) P4(-7.5,-2.5) P5(-6.5,-2.5) P6(-5.5,-2.5) P7(-4.5,-2.5) P8(-3.5,-2.5) P9(-2.5,-2.5) P10(-1.5,-2.5) P11(-0.5,-2.5) P12(0.5,-2.5) P13(1.5,-2.5) P14(2.5,-2.5) P15(3.5,-2.5) P16(4.5,-2.5) P17(5.5,-2.5) P18(6.5,-2.5) P19(7.5,-2.5) P20(8.5,-2.5) P21(9.5,-2.5) P22(10.5,-2.5) R1(-10.5,-3.5) R2(-9.5,-3.5) R3(-8.5,-3.5) R4(-7.5,-3.5) R5(-6.5,-3.5) R6(-5.5,-3.5) R7(-4.5,-3.5) R8(-3.5,-3.5) R9(-2.5,-3.5) R10(-1.5,-3.5) R11(-0.5,-3.5) R12(0.5,-3.5) R13(1.5,-3.5) R14(2.5,-3.5) R15(3.5,-3.5) R16(4.5,-3.5) R17(5.5,-3.5) R18(6.5,-3.5) R19(7.5,-3.5) R20(8.5,-3.5) R21(9.5,-3.5) R22(10.5,-3.5) T1(-10.5,-4.5) T2(-9.5,-4.5) T3(-8.5,-4.5) T4(-7.5,-4.5) T5(-6.5,-4.5) T6(-5.5,-4.5) T7(-4.5,-4.5) T8(-3.5,-4.5) T9(-2.5,-4.5) T10(-1.5,-4.5) T11(-0.5,-4.5) T12(0.5,-4.5) T13(1.5,-4.5) T14(2.5,-4.5) T15(3.5,-4.5) T16(4.5,-4.5) T17(5.5,-4.5) T18(6.5,-4.5) T19(7.5,-4.5) T20(8.5,-4.5) T21(9.5,-4.5) T22(10.5,-4.5) U1(-10.5,-5.5) U2(-9.5,-5.5) U3(-8.5,-5.5) U4(-7.5,-5.5) U5(-6.5,-5.5) U6(-5.5,-5.5) U7(-4.5,-5.5) U8(-3.5,-5.5) U9(-2.5,-5.5) U10(-1.5,-5.5) U11(-0.5,-5.5) U12(0.5,-5.5) U13(1.5,-5.5) U14(2.5,-5.5) U15(3.5,-5.5) U16(4.5,-5.5) U17(5.5,-5.5) U18(6.5,-5.5) U19(7.5,-5.5) U20(8.5,-5.5) U21(9.5,-5.5) U22(10.5,-5.5) V1(-10.5,-6.5) V2(-9.5,-6.5) V3(-8.5,-6.5) V4(-7.5,-6.5) V5(-6.5,-6.5) V6(-5.5,-6.5) V7(-4.5,-6.5) V8(-3.5,-6.5) V9(-2.5,-6.5) V10(-1.5,-6.5) V11(-0.5,-6.5) V12(0.5,-6.5) V13(1.5,-6.5) V14(2.5,-6.5) V15(3.5,-6.5) V16(4.5,-6.5) V17(5.5,-6.5) V18(6.5,-6.5) V19(7.5,-6.5) V20(8.5,-6.5) V21(9.5,-6.5) V22(10.5,-6.5) W1(-10.5,-7.5) W2(-9.5,-7.5) W3(-8.5,-7.5) W4(-7.5,-7.5) W5(-6.5,-7.5) W6(-5.5,-7.5) W7(-4.5,-7.5) W8(-3.5,-7.5) W9(-2.5,-7.5) W10(-1.5,-7.5) W11(-0.5,-7.5) W12(0.5,-7.5) W13(1.5,-7.5) W14(2.5,-7.5) W15(3.5,-7.5) W16(4.5,-7.5) W17(5.5,-7.5) W18(6.5,-7.5) W19(7.5,-7.5) W20(8.5,-7.5) W21(9.5,-7.5) W22(10.5,-7.5) Y1(-10.5,-8.5) Y2(-9.5,-8.5) Y3(-8.5,-8.5) Y4(-7.5,-8.5) Y5(-6.5,-8.5) Y6(-5.5,-8.5) Y7(-4.5,-8.5) Y8(-3.5,-8.5) Y9(-2.5,-8.5) Y10(-1.5,-8.5) Y11(-0.5,-8.5) Y12(0.5,-8.5) Y13(1.5,-8.5) Y14(2.5,-8.5) Y15(3.5,-8.5) Y16(4.5,-8.5) Y17(5.5,-8.5) Y18(6.5,-8.5) Y19(7.5,-8.5) Y20(8.5,-8.5) Y21(9.5,-8.5) Y22(10.5,-8.5)
  silkscreen extent -12.27,-11.5 11.5,11.5, body extent -11.5,-11.5 11.5,11.5, height 2.6
HDR1X2 [mm] "Connector; Header; 2 Position"
  rect 1.5x1.5 hole 0.9: 1(0,0)
  round 1.5 hole 0.9: 2(2.54,0)
  silkscreen extent -1.27,-1.27 3.81,1.27
HDR1X6 [mm] "Connector; Header; 6 Position"
  rect 1.5x1.5 hole 0.9: 1(0,0)
  round 1.5 hole 0.9: 2(2.54,0) 3(5.08,0) 4(7.62,0) 5(10.16,0) 6(12.7,0)
  silkscreen extent -1.27,-1.27 13.97,1.27
HDR2X20 [mm] "Connector; Header; 20x2 Position"
  rect 1.5x1.5 hole 0.9: 1(0,0)
  round 1.5 hole 0.9: 2(0,2.54) 3(2.54,0) 4(2.54,2.54) 5(5.08,0) 6(5.08,2.54) 7(7.62,0) 8(7.62,2.54) 9(10.16,0) 10(10.16,2.54) 11(12.7,0) 12(12.7,2.54) 13(15.24,0) 14(15.24,2.54) 15(17.78,0) 16(17.78,2.54) 17(20.32,0) 18(20.32,2.54) 19(22.86,0) 20(22.86,2.54) 21(25.4,0) 22(25.4,2.54) 23(27.94,0) 24(27.94,2.54) 25(30.48,0) 26(30.48,2.54) 27(33.02,0) 28(33.02,2.54) 29(35.56,0) 30(35.56,2.54) 31(38.1,0) 32(38.1,2.54) 33(40.64,0) 34(40.64,2.54) 35(43.18,0) 36(43.18,2.54) 37(45.72,0) 38(45.72,2.54) 39(48.26,0) 40(48.26,2.54)
  silkscreen extent -1.27,-1.27 49.53,3.81
IHLP2525 [mm]
  rect 1.83x3.43 smd: 1(-2.77,0) 2(2.77,0)
  silkscreen extent -3.64,-3.36 3.62,3.37
IHLP4040 [mm]
  rect 3.5x3.8 smd: 1(-4.75,0) 2(4.75,0)
  silkscreen extent -5.46,-5.15 5.46,5.15
INDC3216N [mm] "Chip Inductor, Body 3.2x1.6mm, IPC Medium Density"
  rect 1.2x1.9 smd: 1(-1.6,0) 2(1.6,0)
  silkscreen extent -0.6,-0.85 0.6,0.85, body extent -1.75,-0.95 1.75,0.95, height 1.9
KLD-0202 [mm] "DC Power Jack, 2.5mm, KLD Series, PCB Mount"
  oval 2x4.5 all layers, no hole: 1(13.7,0)
  round 1.5 hole 1: 1A(13.7,-1.25) 1B(13.7,1.25) 2A(7.5,-1) 2B(7.5,1) 3A(9.5,-5) 3B(11.5,-5)
  oval 2x4 all layers, no hole: 2(7.5,0)
  oval 4x2 all layers, no hole: 3(10.5,-5)
  silkscreen extent 0,-4.5 14.6,4.5
LFPAK [mm]
  rect 1.15x0.7 smd: 1(-2.801,1.88) 2(-2.801,0.61) 3(-2.801,-0.66) 4(-2.801,-1.93)
  rect 3.1x4.2 smd: 5(0.374,-0.025)
  rect 1.5x4.7 smd: 5(2.674,-0.025)
  silkscreen extent -4.01,-2.53 1.82,2.47, body extent -3.38,-2.53 3.43,2.47, height 0.8
MASK [mm]
  round 1.6 smd: 0(0,0)
  round 1.6 smd far side: 0(0,0)
PIN1 [mm] "Generic Antenna; 1 Lead"
  rect 1.5x1.5 hole 0.9: 1(0,0)
  silkscreen extent -1.4,-1.4 1.4,2.17
RESC1005N [mm] "Chip Resistor, Body 1.1x0.5mm, IPC Medium Density"
  rect 0.8x0.7 smd: 1(-0.6,0) 2(0.6,0)
  body extent -0.55,-0.3 0.55,0.3, height 0.4
RESC1608N [mm] "Chip Resistor, Body 1.6x0.8mm, IPC Medium Density"
  rect 0.9x1 smd: 1(-0.85,0) 2(0.85,0)
  silkscreen extent -0.2,-0.4 0.2,0.4, body extent -0.85,-0.48 0.85,0.48, height 0.6
RESC3216N [mm] "Chip Resistor, Body 3.2x1.6mm, IPC Medium Density"
  rect 1.3x1.8 smd: 1(-1.45,0) 2(1.45,0)
  silkscreen extent -0.4,-0.8 0.4,0.8, body extent -1.68,-0.87 1.68,0.87, height 0.71
RESC5025N [mm] "Chip Resistor, Body 5.0x2.5mm, IPC Medium Density"
  rect 1.4x2.7 smd: 1(-2.3,0) 2(2.3,0)
  silkscreen extent -1.2,-1.25 1.2,1.25, body extent -2.58,-1.33 2.58,1.33, height 0.71
SKQMA [mm]
  rect 1.8x1.6 smd: 1(-2.7,0) 2(2.7,0)
  silkscreen extent -3.2,-1.8 3.2,1.8
SMX2 [mm]
  rect 2.2x1.4 smd: 1(-1.925,-1.175) 2(1.875,-1.175) 3(1.875,1.225) 4(-1.925,1.225)
  silkscreen extent -2.99,-2.51 2.47,1.68, body extent -2.87,-1.73 2.82,1.78, height 1
SO8W [mm] "Small Outline; 8 Leads; Body Width 7.5 mm; Pitch 1.27 mm"
  rect 0.6x2.2 smd: 1(-1.905,-4.6) 2(-0.635,-4.6) 3(0.635,-4.6) 4(1.905,-4.6) 5(1.905,4.6) 6(0.635,4.6) 7(-0.635,4.6) 8(-1.905,4.6)
  silkscreen extent -2.88,-4.72 2.73,3.1
SON10 [mm]
  rect 0.85x0.28 smd paste+0.07 mask+0.07: 1(-1.475,1) 2(-1.475,0.5) 3(-1.475,0) 4(-1.475,-0.5) 5(-1.475,-1) 6(1.475,-1) 7(1.475,-0.5) 8(1.475,0) 9(1.475,0.5) 10(1.475,1)
  rect 0.28x0.7 smd paste+0 mask+0: 11(-0.25,1.549) 11(-0.25,-1.549) 11(0.25,1.549) 11(0.25,-1.549)
  rect 1.6x2.4 smd paste+0 mask+0: 11(0,0)
  silkscreen extent -2.84,-2.06 2.18,2.69, body extent -1.97,-1.9 1.97,1.9, height 0.8
SOT23_N [mm] "SOT23, 3-Leads, Body 2.9x1.3mm, Pitch 0.95mm, Lead Span 2.3mm, IPC Medium Density"
  rect 1.3x0.6 smd: 1(-1.05,0.95) 2(-1.05,-0.95) 3(1.05,0)
  silkscreen extent -1.17,-1.5 0.7,1.93, body extent -0.7,-1.5 0.7,1.5, height 1.1
SOT89M [mm] "SOT89, 3-Leads, Body 4.5x2.4 mm, Pitch 1.5mm, Lead Span 4.1mm, IPC Low Density"
  rect 1.6x0.6 smd: 1(-1.9,1.5) 3(-1.9,-1.5)
  rect 2x0.7 smd: 2(-1.7,0)
  oct 3.4x2 smd: 2(1,0)
  silkscreen extent -2.07,-2.3 1.3,2.47, body extent -1.3,-2.3 1.3,2.3, height 1.6
SOT563 [mm]
  rect 0.45x0.3 smd paste+0.05 mask+0.05: 1(-0.675,0.5) 2(-0.675,0) 3(-0.675,-0.5) 4(0.675,-0.5) 5(0.675,0) 6(0.675,0.5)
  silkscreen extent -0.71,-0.9 0,0.92
SOT765-1 [mm]
  rect 0.3x0.8 smd: 1(-0.75,-1.55) 2(-0.25,-1.55) 3(0.25,-1.55) 4(0.75,-1.55) 5(0.75,1.55) 6(0.25,1.55) 7(-0.25,1.55) 8(-0.75,1.55)
  silkscreen extent -1.52,-2.46 1.1,2.13
SOT-143_N [mm] "SOT143, 4-Leads, Body 2.9x1.3mm, Pitch 1.9mm, Lead Span 2.5mm, IPC Medium Density"
  rect 1.3x1 smd: 1(-1.05,0.75)
  rect 1.3x0.6 smd: 2(-1.05,-0.95) 3(1.05,-0.95) 4(1.05,0.95)
  silkscreen extent -1.47,-1.5 0.2,1.92, body extent -0.7,-1.52 0.7,1.52, height 1.1
SSOP28_N [mm] "SOP, 28-Leads, Body 10.2x5.3mm, Pitch 0.65mm, IPC Medium Density"
  oval 2.1x0.45 smd: 1(-3.45,4.225) 2(-3.45,3.575) 3(-3.45,2.925) 4(-3.45,2.275) 5(-3.45,1.625) 6(-3.45,0.975) 7(-3.45,0.325) 8(-3.45,-0.325) 9(-3.45,-0.975) 10(-3.45,-1.625) 11(-3.45,-2.275) 12(-3.45,-2.925) 13(-3.45,-3.575) 14(-3.45,-4.225) 15(3.45,-4.225) 16(3.45,-3.575) 17(3.45,-2.925) 18(3.45,-2.275) 19(3.45,-1.625) 20(3.45,-0.975) 21(3.45,-0.325) 22(3.45,0.325) 23(3.45,0.975) 24(3.45,1.625) 25(3.45,2.275) 26(3.45,2.925) 27(3.45,3.575) 28(3.45,4.225)
  silkscreen extent -3.57,-5.3 2,5.3, body extent -2.7,-5.3 2.7,5.3, height 1.99
SW3_S [mm]
  oval 0.8x1 hole 0.6: 1(-2,0) 2(0,0) 3(2,0)
  oval 0.8x1.6 hole 0.5 slot 1.2 at 90 deg: 4(-4.5,0) 5(4.5,0)
  silkscreen extent -4.57,-2.21 4.57,2.18
TP [mil]
  round 30 smd paste+0 mask+4: 1(0,0)
  silkscreen extent -20,-20 20,20